# Altium PCB PCB1.PcbDoc
Units mil, origin at the board's own origin, x right, y up, seen from the top; angles counter-clockwise.
Board outline 6000 x 4000 mil, 2 copper layers (Top Layer, Bottom Layer); 106 components, 98 nets, 439 pads, 9 vias.
Unrouted connection lines stored in the file: 222.
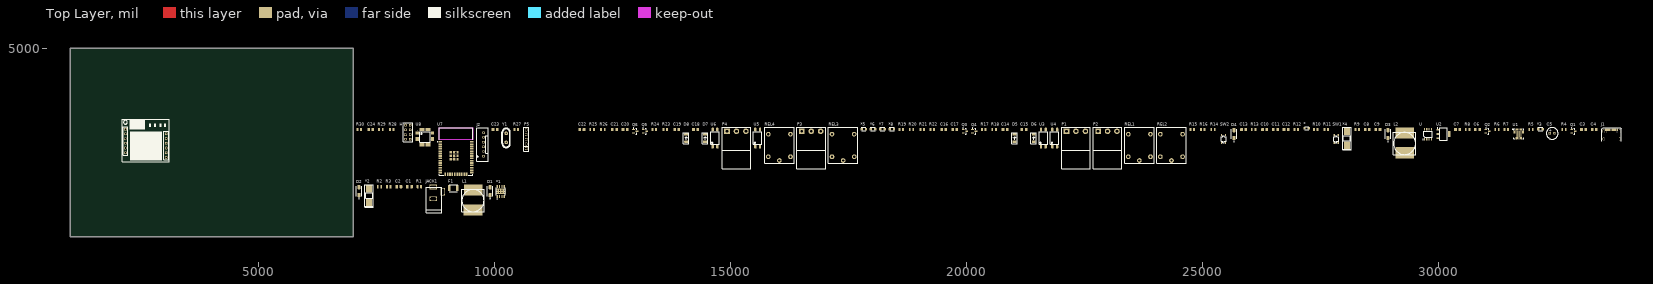
[diagram p0: Top Layer view]
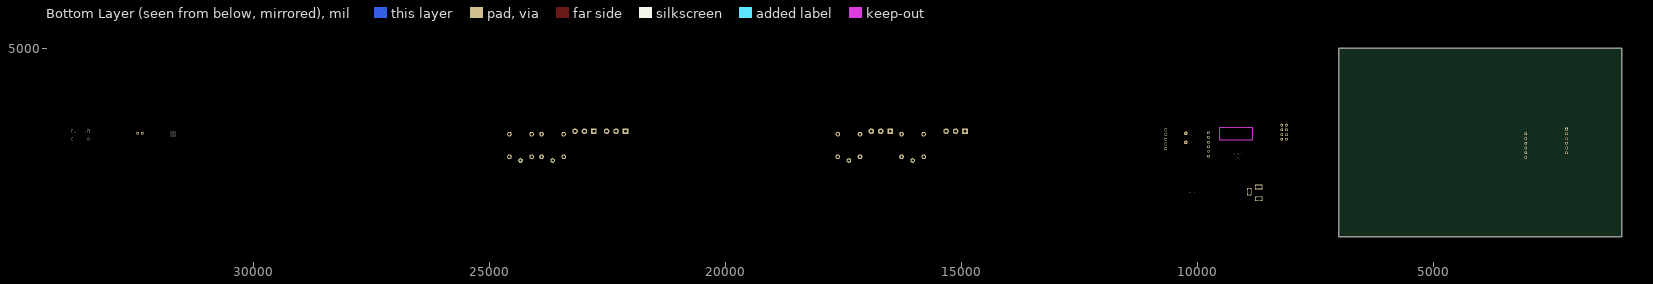
[diagram p1: Bottom Layer view, seen from below]

## Layer stack, top to bottom
Top Solder: solder mask 0.4, Solder Resist, Dk 3.5
Top Layer: signal copper 1.4
Dielectric 1: dielectric 12.6, FR-4, Dk 4.8
Bottom Layer: signal copper 1.4
Bottom Solder: solder mask 0.4, Solder Resist, Dk 3.5

## Board outline
1000,1000 7000,1000 7000,5000 1000,5000

## Design rules (kind name [scope] priority, off if disabled: settings)
Clearance [All] p1: gap=10 ignorepadtopadclearanceinfootprint=FALSE except(0: Arc-Hole Track-Hole SMDPad-Hole THPad-Hole Via-Hole Fill-Hole Poly-Hole Region-Hole Text-Hole)
PolygonConnect [All] p1: connectstyle=Relief reliefconductorwidth=10 reliefentries=4 polygonreliefangle="90 Angle" airgapwidth=10
RoomDefinition Sheet1 [InComponentClass('Sheet1')] p1: confinementstyle=ConfineIn formatcopy=TRUE lockcomponents=FALSE outline 7045,1445 33905,1445 33905,3430 7045,3430
RoutingVias [All] p1: holewidth=28 width=50 viastyle="Through Hole" minholewidth=28 minwidth=50 maxholewidth=28 maxwidth=50
SolderMaskExpansion [All] p1: expansion=4 istentingtop=FALSE
Width [All] p1: maxlimit=10 minlimit=10 preferedwidth=10
30 further rules are at their usual default settings.

## Components (designator, comment, footprint, x,y, rotation, side; value= is the part's Value field where it differs from the comment)
* "LED_0805_RED" LED-0805-Red 27160,3305 r0 top
*1 "TPS5430" TPS5430DDAR 10125,1965 r90 top
*2 "cap_tantan" "tu tantalum smd7343" 7335,1880 r90 top
*3 "LED_0805_RED" LED-0805-Red 32115,3285 r0 top
*4 "cap_tantan" "tu tantalum smd7343" 28060,3090 r90 top
*5 "LED_0805_RED" LED-0805-Red 17775,3285 r0 top
*6 "LED_0805_RED" LED-0805-Red 17970,3285 r0 top
*7 "LED_0805_RED" LED-0805-Red 18170,3285 r0 top
*8 "LED_0805_RED" LED-0805-Red 18370,3285 r0 top
C1 "C0805" CAP_0805 8190,2065 r0 top
C2 "C0805" CAP_0805 7965,2065 r0 top
C3 "C0805" CAP_0805 33075,3275 r0 top
C4 "C0805" CAP_0805 33300,3275 r0 top
C5 "100uF" "CAP ELECTROLITICO" 32410,3195 r0 top
C6 "C0805" CAP_0805 30825,3275 r0 top
C7 "C0805" CAP_0805 30405,3275 r0 top
C8 "C0805" CAP_0805 28490,3275 r0 top
C9 "C0805" CAP_0805 28715,3275 r0 top
C10 "C0805" CAP_0805 26315,3275 r0 top
C11 "C0805" CAP_0805 26545,3275 r0 top
C12 "C0805" CAP_0805 26770,3275 r0 top
C13 "C0805" CAP_0805 25870,3275 r0 top
C14 "C0805" CAP_0805 20815,3275 r0 top
C15 "C0805" CAP_0805 21215,3275 r0 top
C16 "C0805" CAP_0805 19515,3275 r0 top
C17 "C0805" CAP_0805 19745,3275 r0 top
C18 "C0805" CAP_0805 14255,3275 r0 top
C19 "C0805" CAP_0805 13855,3275 r0 top
C20 "C0805" CAP_0805 12760,3275 r0 top
C21 "C0805" CAP_0805 12535,3275 r0 top
C22 "C0805" CAP_0805 11845,3275 r0 top
C23 "C0805" CAP_0805 10005,3275 r0 top
C24 "C0805" CAP_0805 7370,3275 r0 top
D1 "B340A-13" B340A 9900,1970 r90 top
D2 "B340A-13" B340A 7120,1970 r90 top
D3 "B340A-13" B340A 28925,3180 r90 top
D4 "B340A-13" B340A 25665,3180 r90 top
D5 "D_SMA" "DO-214AC-2 (SMA)" 21015,3095 r90 top
D6 "D_SMA" "DO-214AC-2 (SMA)" 21420,3095 r90 top
D7 "D_SMA" "DO-214AC-2 (SMA)" 14455,3095 r90 top
D8 "D_SMA" "DO-214AC-2 (SMA)" 14055,3095 r90 top
F1 "2A 24V" "Cau chi tu phuc hoi 2A 24V SMD1812" 9120,2035 r0 top
H "HEADER CONNECT 4" "JUMPER PITCH 4x2 PIN" 8205,3070 r90 top
J1 "TYPE-C-31-M-12" TYPE-C-31-M-12 33670,3160 r0 top
J2 "B6B-XH-A(LF)(SN)" CON6_100_B6B-XH-A_TH_ST 9760,2710 r90 top
JACK1 "JACK DC" "JACK DC" 8795,1935 r90 top value="Jac DC"
L1 "INDUCTOR" "Cuon Cam 12x12x10" 9300,1535 r0 top
L2 "INDUCTOR" "Cuon Cam 12x12x10" 29045,2745 r0 top
P1 "CON 3 EDG5.08" "CON 3P 5.08MM" 22115,3240 r0 top
P2 "CON 3 EDG5.08" "CON 3P 5.08MM" 22785,3240 r0 top
P3 "CON 3 EDG5.08" "CON 3P 5.08MM" 16505,3240 r0 top
P4 "CON 3 EDG5.08" "CON 3P 5.08MM" 14920,3240 r0 top
P5 "Header 5" "JP 1X5 DT" 10665,2870 r90 top
Q1 "NPN-SOT23" "SOT23 - 3PIN" 32860,3240 r0 top
Q2 "NPN-SOT23" "SOT23 - 3PIN" 31040,3240 r0 top
Q3 "NPN-SOT23" "SOT23 - 3PIN" 19960,3240 r0 top
Q4 "NPN-SOT23" "SOT23 - 3PIN" 20160,3240 r0 top
Q5 "NPN-SOT23" "SOT23 - 3PIN" 13180,3240 r0 top
Q6 "NPN-SOT23" "SOT23 - 3PIN" 12975,3240 r0 top
R1 "R0805" RES_0805 8400,2065 r0 top
R2 "R0805" RES_0805 7555,2065 r0 top
R3 "R0805" RES_0805 7750,2065 r0 top
R4 "R0805" RES_0805 32660,3275 r0 top
R5 "R0805" RES_0805 31960,3275 r0 top
R6 "R0805" RES_0805 31240,3275 r0 top
R7 "R0805" RES_0805 31435,3275 r0 top
R8 "R0805" RES_0805 30615,3275 r0 top
R9 "R0805" RES_0805 28280,3275 r0 top
R10 "R0805" RES_0805 27400,3275 r0 top
R11 "R0805" RES_0805 27620,3275 r0 top
R12 "R0805" RES_0805 26985,3275 r0 top
R13 "R0805" RES_0805 26080,3275 r0 top
R14 "R0805" RES_0805 25220,3275 r0 top
R15 "R0805" RES_0805 24780,3275 r0 top
R16 "R0805" RES_0805 25000,3275 r0 top
R17 "R0805" RES_0805 20360,3275 r0 top
R18 "R0805" RES_0805 20580,3275 r0 top
R19 "R0805" RES_0805 18610,3275 r0 top
R20 "R0805" RES_0805 18830,3275 r0 top
R21 "R0805" RES_0805 19060,3275 r0 top
R22 "R0805" RES_0805 19270,3275 r0 top
R23 "R0805" RES_0805 13610,3275 r0 top
R24 "R0805" RES_0805 13380,3275 r0 top
R25 "R0805" RES_0805 12060,3275 r0 top
R26 "R0805" RES_0805 12290,3275 r0 top
R27 "R0805" RES_0805 10455,3275 r0 top
R28 "R0805" RES_0805 7815,3275 r0 top
R29 "R0805" RES_0805 7585,3275 r0 top
R30 "R0805" RES_0805 7125,3275 r0 top
REL1 "RELAY 5V 10A" "RELAY 5V-10A" 23660,2620 r0 top
REL2 "RELAY 5V 10A" "RELAY 5V-10A" 24340,2620 r0 top
REL3 "RELAY 5V 10A" "RELAY 5V-10A" 17380,2620 r0 top
REL4 "RELAY 5V 10A" "RELAY 5V-10A" 16030,2620 r0 top
SW1 "EN" SKRPANE010 27830,3075 r90 top
SW2 "IO0" SKRPANE010 25445,3075 r90 top
U "MP1482" SOIC-8 29775,3175 r90 top
U1 "CP2102" QFN28 31700,3185 r0 top
U2 "AMS1117" "SOT223 - 3 LEAD" 30105,3180 r0 top
U3 "OPTO PC817 SMD" "PC817 SMD" 21625,3095 r90 top value=PC817
U4 "OPTO PC817 SMD" "PC817 SMD" 21865,3095 r90 top value=PC817
U5 "OPTO PC817 SMD" "PC817 SMD" 15570,3095 r90 top value=PC817
U6 "OPTO PC817 SMD" "PC817 SMD" 14665,3095 r90 top value=PC817
U7 "ESP32-WROOM-32" MODULE_ESP32-WROOM-32 9175,2810 r0 top
U8 "STM32F103C8T6-LQFP48" "LQFP 48 PIN" 8515,3115 r0 top
Y1 "16Mhz" "Thach Anh 2 chan cam" 10240,3100 r90 top value=4Mhz
? "SimA7680C" SimA7680C 2107,3486 r0 top

## Footprints (in the part's own frame and the unit in brackets; to place one, negate y for a bottom-side part, rotate by r counter-clockwise, add the part's x,y. Pads: shape width x height; smd on the part's side, far side on the other; paste and mask are expansions set on the pad)
B340A [mm]
  rrect50% 2.33x1.55 smd: A(2.135,0) C(-2.135,0)
  silkscreen extent -4.1,-1.46 2.6,1.46, body extent -2.6,-1.3 2.6,1.3, height 2.4
"CAP ELECTROLITICO" [mm] "Capacitor  Electrolitico Radial 6.3mm diametro  x 11mm de altura (2.5mm entre pines)"
  rect 1.35x1.35 hole 0.8: 1(-1.325,0.075)
  round 1.35 hole 0.8: 2(1.15,0.075)
  silkscreen extent -3.15,-3.15 3.15,3.15, body extent -3.18,-3.18 3.18,3.17, height 11.53
CAP_0805 [mm]
  rrect25% 1.4x1.7 smd: 1(-1.143,0) 2(1.143,0)
  body extent -1.15,-0.76 1.15,0.79, height 1.01
"Cau chi tu phuc hoi 2A 24V SMD1812" [mm]
  rrect25% 1.34x3.29 smd: 1(-2.15,0) 2(2.15,0)
  silkscreen extent -2.28,-1.83 2.28,1.83, body extent -2.27,-1.62 2.27,1.62, height 1.25
CON6_100_B6B-XH-A_TH_ST [mm] "Connector Header"
  round 1.45 hole 0.91: 1(0,0) 2(2.54,0) 3(5.08,0) 4(7.62,0) 5(10.16,0) 6(12.7,0)
  silkscreen extent -2.67,-2.54 15.39,3.71, body extent -2.42,-2.32 15.12,3.43, height 7
"CON 3P 5.08MM" [mm] "Connector; Header; 3 Position"
  rect 3x3 hole 1.5: 1(0,0)
  round 3 hole 1.5: 2(5.08,0) 3(10.16,0)
  silkscreen extent -2.67,-20.19 12.83,2.03, body extent -2.54,-20.1 12.7,1.94, height 15.17
"Cuon Cam 12x12x10" [mm] "Cuon Cam 12x12x10"
  rect 10x6 smd: 1(6.1,11.6) 2(6,1)
  silkscreen extent 0,0 12.1,12.1, body extent 0.1,-0.2 12.1,12.14, height 7.51
"DO-214AC-2 (SMA)" [mm]
  rrect25% 1.27x2.1 smd: A(-1.985,0) K(1.985,0)
  silkscreen extent -3,-1.5 3,1.5, body extent -2.6,-1.3 2.6,1.3, height 2.42
"JACK DC" [mil] "Jac DC input"
  rect 100x160 hole 59.06 slot 125.98 at 90 deg: 1(125,100) 2(-125,100)
  rect 160x100 hole 59.06 slot 125.98 at 0 deg: 3(25,-100)
  silkscreen extent -425,-80 120,250, body extent -410,-105 134,269, height 434
"JP 1X5 DT" [mm] "5 pins, 1 row, straight, gold plating"
  rect 1.6x1.6 hole 1.1: 1(0,0)
  round 1.6 hole 1.1: 2(2.54,0) 3(5.08,0) 4(7.62,0) 5(10.16,0)
  silkscreen extent -1.27,-1.27 11.43,1.27, body extent -1.27,-1.27 11.43,1.27, height 8.54
"JUMPER PITCH 4x2 PIN" [mm] "Connector; Header; 4x2 Position"
  rect 1.5x1.5 hole 0.9: 1(0,0)
  round 1.5 hole 0.9: 2(0,2.54) 3(2.54,0) 4(2.54,2.54) 5(5.08,0) 6(5.08,2.54) 7(7.62,0) 8(7.62,2.54)
  silkscreen extent -1.27,-1.27 8.89,3.81, body extent -1.27,-1.27 8.95,3.81, height 7.6
LED-0805-Red [mil]
  rect 50x55 smd: 1(0,0) 2(90,0)
  silkscreen extent 0,-35 90,35, body extent 5,-25 85,25, height 43
"LQFP 48 PIN" [mm] "TSQFP, 48-Leads, Body 9.2x9.2mm (max), Pitch 0.50mm, IPC Medium Density"
  oval 1.75x0.3 smd: 1(-4.075,2.75) 2(-4.075,2.25) 3(-4.075,1.75) 4(-4.075,1.25) 5(-4.075,0.75) 6(-4.075,0.25) 7(-4.075,-0.25) 8(-4.075,-0.75) 9(-4.075,-1.25) 10(-4.075,-1.75) 11(-4.075,-2.25) 12(-4.075,-2.75) 25(4.075,-2.75) 26(4.075,-2.25) 27(4.075,-1.75) 28(4.075,-1.25) 29(4.075,-0.75) 30(4.075,-0.25) 31(4.075,0.25) 32(4.075,0.75) 33(4.075,1.25) 34(4.075,1.75) 35(4.075,2.25) 36(4.075,2.75)
  oval 0.3x1.75 smd: 13(-2.75,-4.075) 14(-2.25,-4.075) 15(-1.75,-4.075) 16(-1.25,-4.075) 17(-0.75,-4.075) 18(-0.25,-4.075) 19(0.25,-4.075) 20(0.75,-4.075) 21(1.25,-4.075) 22(1.75,-4.075) 23(2.25,-4.075) 24(2.75,-4.075) 37(2.75,4.075) 38(2.25,4.075) 39(1.75,4.075) 40(1.25,4.075) 41(0.75,4.075) 42(0.25,4.075) 43(-0.25,4.075) 44(-0.75,4.075) 45(-1.25,4.075) 46(-1.75,4.075) 47(-2.25,4.075) 48(-2.75,4.075)
  silkscreen extent -4.2,-2.8 2.8,3.57, body extent -4.5,-4.5 4.5,4.5, height 1.45
MODULE_ESP32-WROOM-32 [mm]
  rect 2x0.9 smd: 1(-8.5,5.26) 2(-8.5,3.99) 3(-8.5,2.72) 4(-8.5,1.45) 5(-8.5,0.18) 6(-8.5,-1.09) 7(-8.5,-2.36) 8(-8.5,-3.63) 9(-8.5,-4.9) 10(-8.5,-6.17) 11(-8.5,-7.44) 12(-8.5,-8.71) 13(-8.5,-9.98) 14(-8.5,-11.25) 25(8.5,-11.25) 26(8.5,-9.98) 27(8.5,-8.71) 28(8.5,-7.44) 29(8.5,-6.17) 30(8.5,-4.9) 31(8.5,-3.63) 32(8.5,-2.36) 33(8.5,-1.09) 34(8.5,0.18) 35(8.5,1.45) 36(8.5,2.72) 37(8.5,3.99) 38(8.5,5.26)
  rect 0.9x2 smd: 15(-5.715,-12.25) 16(-4.445,-12.25) 17(-3.175,-12.25) 18(-1.905,-12.25) 19(-0.635,-12.25) 20(0.635,-12.25) 21(1.905,-12.25) 22(3.175,-12.25) 23(4.445,-12.25) 24(5.715,-12.25)
  rect 1.33x1.33 smd: 39(-2.835,-4.075) 39(-2.835,-2.24) 39(-2.835,-0.405) 39(-1,-4.075) 39(-1,-2.24) 39(-1,-0.405) 39(0.835,-4.075) 39(0.835,-2.24) 39(0.835,-0.405)
  round 0.3 hole 0.2: 39_10(-1.917,-0.405) 39_11(-0.082,-0.405) 39_12(-2.835,-1.322) 39_13(-1,-1.322) 39_14(0.835,-1.322) 39_15(-1.917,-2.24) 39_16(-0.082,-2.24) 39_17(-2.835,-3.157) 39_18(-1,-3.157) 39_19(0.835,-3.157) 39_20(-1.917,-4.075) 39_21(-0.082,-4.075)
  Keep-Out Layer region: 9,6.45 -9,6.45 -9,12.75 9,12.75
  Keep-Out Layer region: 9,6.45 -9,6.45 -9,12.75 9,12.75
  silkscreen extent -10.1,-12.75 9,12.75, body extent -9,-12.75 9,12.75, height 3.2
"PC817 SMD" [mm] "SMD"
  oval 2.2x1.3 smd: 1(-4.572,1.27) 2(-4.572,-1.27) 3(4.572,-1.27) 4(4.572,1.27)
  silkscreen extent -3.3,-2.29 3.3,2.29, body extent -4.87,-2.29 5.13,2.29, height 3.95
QFN28 [mm] "QFN, 28-Leads, Body 5.00x5.00mm, Pitch 0.50mm, Thermal Pad 3.13x3.13mm, IPC Low Density"
  oval 1.15x0.25 smd: 1(-2.35,1.5) 2(-2.35,1) 3(-2.35,0.5) 4(-2.35,0) 5(-2.35,-0.5) 6(-2.35,-1) 7(-2.35,-1.5) 15(2.35,-1.5) 16(2.35,-1) 17(2.35,-0.5) 18(2.35,0) 19(2.35,0.5) 20(2.35,1) 21(2.35,1.5)
  oval 0.25x1.15 smd: 8(-1.5,-2.35) 9(-1,-2.35) 10(-0.5,-2.35) 11(0,-2.35) 12(0.5,-2.35) 13(1,-2.35) 14(1.5,-2.35) 22(1.5,2.35) 23(1,2.35) 24(0.5,2.35) 25(0,2.35) 26(-0.5,2.35) 27(-1,2.35) 28(-1.5,2.35)
  rect 3.13x3.13 smd: 29(0,0)
  silkscreen extent -3.42,-2.65 2.65,2.65, body extent -2.5,-2.5 2.5,2.5, height 1
"RELAY 5V-10A" [mm]
  round 2.5 hole 1.3: 1(0,0) 2(-5.969,14.224) 3(5.969,14.224) 4(-5.969,2.032) 5(5.969,2.032)
  silkscreen extent -7.87,-1.52 7.87,17.78, body extent -7.75,-1.4 7.75,17.7, height 15.3
RES_0805 [mm]
  rrect25% 1x1.7 smd: 1(-0.95,0) 2(0.95,0)
  body extent -1,-0.63 1,0.63, height 0.47
SimA7680C [mm]
  rect 1.5x1.5 hole 0.9: 1(1.6,-5.105) 7(23.571,-7.645)
  round 1.5 hole 0.9: 2(1.6,-7.645) 3(1.6,-10.185) 4(1.6,-12.725) 5(1.6,-15.265) 6(1.6,-17.805) 8(23.571,-10.185) 9(23.571,-12.725) 10(23.571,-15.265) 11(23.571,-17.805) 12(23.571,-20.345)
  silkscreen extent 0.03,-22.76 25.22,0.28, body extent 0.12,-23 25.12,0.14, height 6.1
SKRPANE010 [mm]
  rect 1.05x0.65 smd: 12(-2.075,1.075) 12(2.075,1.075) 34(-2.075,-1.075) 34(2.075,-1.075)
  silkscreen extent -1.9,-1.4 1.9,1.4, body extent -2.3,-1.6 2.3,1.6, height 2.51
SOIC-8 [mm] "SOIC, 8-Leads, Body 4.91x3.90mm, Pitch 1.27mm, IPC Medium Density"
  rrect25% 1.45x0.6 smd: 1(-2.725,1.905) 2(-2.725,0.635) 3(-2.725,-0.635) 4(-2.725,-1.905) 5(2.725,-1.905) 6(2.725,-0.635) 7(2.725,0.635) 8(2.725,1.905)
  silkscreen extent -2.85,-2.3 1.6,2.88, body extent -3,-2.5 3,2.5, height 1.75
"SOT23 - 3PIN" [mm]
  rect 1.4x0.6 smd: 1(-0.95,0.95) 2(-0.95,-0.95) 3(0.95,0)
  silkscreen extent -1.07,-1.5 0.7,1.92, body extent -1.4,-1.45 1.4,1.45, height 1.29
"SOT223 - 3 LEAD" [mm] "SOT223, 4-Leads, Body 6.7x6.7mm (max), Pitch 2.29mm, IPC Medium Density"
  rect 1.35x0.95 smd: 1(-3.125,2.29) 2(-3.125,0) 3(-3.125,-2.29)
  rect 1.35x3.3 smd: 4(3.125,0)
  silkscreen extent -3.25,-3.35 2.05,3.44, body extent -3.54,-3.25 3.54,3.25, height 1.65
"Thach Anh 2 chan cam" [mm]
  round 1.905 hole 0.8: 1(-2.45,0) 2(2.45,0)
  silkscreen extent -5.28,-2.29 5.21,2.29, body extent -5.68,-2.36 5.68,2.29, height 3.5
TPS5430DDAR [mm]
  rrect10% 1.55x0.6 smd mask+0: 1(-2.7,1.905) 2(-2.7,0.635) 3(-2.7,-0.635) 4(-2.7,-1.905) 5(2.7,-1.905) 6(2.7,-0.635) 7(2.7,0.635) 8(2.7,1.905)
  rect 2.95x4.9 smd paste-3 mask+0: 9(0,0)
  round 0.3 hole 0.2 mask+0: 10(-0.65,1.95) 11(0.65,1.95) 12(-0.65,0.65) 13(0.65,0.65) 14(-0.65,-0.65) 15(0.65,-0.65) 16(-0.65,-1.95) 17(0.65,-1.95)
  silkscreen extent -4.17,-2.52 1.95,2.52, body extent -3,-2.45 3,2.45, height 1.7
"tu tantalum smd7343" [mm]
  rect 4x3.2 smd: 1(-3.7,0) 2(3.7,0)
  silkscreen extent -6.23,-2.31 5.85,2.31, body extent -3.75,-2.33 3.85,2.27, height 3.99
TYPE-C-31-M-12 [mm]
  rect 0.6x1.5 smd mask+0.07: A1B12(-3.2,2.85) B1A12(3.2,2.85)
  rect 0.6x1.5 smd mask+0.14: A4B9(-2.4,2.85) B4A9(2.4,2.85)
  rect 0.3x1.5 smd mask+0.14: A5(-1.25,2.85) A6(-0.25,2.85) A7(0.25,2.85) A8(1.25,2.85) B5(1.75,2.85) B6(0.75,2.85) B7(-0.75,2.85) B8(-1.75,2.85)
  round 0.6 hole 0.6 unplated mask+0.3: MH(-2.9,1.6) MH(2.9,1.6)
  oval 1x1.9 hole 0.55 slot 1.45 at 90 deg mask+0.05: SH(-4.325,-2.1) SH(4.325,-2.1)
  oval 1x2.2 hole 0.55 slot 1.75 at 90 deg mask+0.05: SH(-4.325,2.1) SH(4.325,2.1)
  silkscreen extent -5.25,-3.25 5.25,4, body extent -4.47,-4.65 4.47,3.25, height 3.32

## Part data
C1 C2 C3 C4 C6 C7 C8 C9 C10 C11 C12 C13 C14 C15 C16 C17 C18 C19 C20 C21 C22 C23 C24: library part CAP_0805, "Capacitor SMD 0805"
C5: library part CAPACITOR
D1 D2 D3 D4: "Diode Schottky 40 V 3A Surface Mount SMA", Package="DO-214 Diodes Inc.", Availability="In Stock", Check_prices=https://www.snapeda.com/parts/B340A-13/Diodes+Inc./view-part/?ref=eda, MF="Diodes Inc.", MP=B340A-13, Price=None, Purchase-URL=https://pricing.snapeda.com/search/part/B340A-13/?ref=eda, SnapEDA_Link=https://www.snapeda.com/parts/B340A-13/Diodes+Inc./view-part/?ref=snap
D5 D6 D7 D8: "Diode SMD SMA (DO-214AA)"
F1: library part "Fuse self-recovering", "2A 24V SMD1812", Ma_Hang=MH010033, Ten="Cầu Chì Tự Phục Hồi 2A 24V SMD1812"
J1: "USB Type C Connector Horizontal SMT", Manufacturer="Koren Hroparts", Manufacturer Part Number=TYPE-C-31-M-12
J2: library part CON-PLG_6X1-100-ST-TH, "6 Pins, 1 Row 2.54mm Pitch, straight Connector, male", Alternate Part Number-1=NA, Case/Package=TH-CON, Crimp Part Number=ASXHSXH22K51, Manufacturer=JST, Mating Part Number=XHP-6, Manufacturer Part Number=B6B-XH-A(LF)(SN), Supplier Part Number-1=B6B-XH-A(LF)(SN), Supplier-1=ARROW
P1 P2 P3 P4: "Cắm", Chung_Loai=Cắm, Don_Vi=Con, Ma_Hang=MH000760, Ten_Linh_Kien="CON 3 2EDG5.08-3P 5.08MM ( Xanh Cong)"
R1 R2 R3 R4 R5 R6 R7 R8 R9 R10 R11 R12 R13 R14 R15 R16 R17 R18 R19 R20 R21 R22 R23 R24 R25 R26 R27 R28 R29 R30: library part RES_0805, "Resistor SMD 0805"
SW1 SW2: library part SKRPANE010, "Tactile Switch SMD SPST", Manufacturer="Alps Alpine", Manufacturer Part Number=SKRPANE010
U3 U4 U5 U6: "Single Opto"
U7: "Bluetooth, WiFi 802.11b/g/n, Bluetooth v4.2 +EDR, Class 1, 2 and 3 Transceiver Module 2.4GHz ~ 2.5GHz Antenna Not Included, U.FL Surface Mount", Package="Module Espressif Systems", Availability="In Stock", Check_prices=https://www.snapeda.com/parts/ESP32-WROOM-32/Espressif+Systems/view-part/?ref=eda, MF="Espressif Systems", MP=ESP32-WROOM-32, Price=None, Purchase-URL=https://pricing.snapeda.com/search/part/ESP32-WROOM-32/?ref=eda, SnapEDA_Link=https://www.snapeda.com/parts/ESP32-WROOM-32/Espressif+Systems/view-part/?ref=snap
Y1: library part XTAL, "Crystal For all Crystal 2pin."
P5: LatestRevisionDate=17-Jul-2002, LatestRevisionNote="Re-released for DXP Platform.", Publisher="Altium Limited"
U8: ComponentLink1Description="Manufacturer Link", ComponentLink1URL=www.st.com/stm32, ComponentLink2Description=Datasheet, ComponentLink2URL=http://www.st.com/stonline/products/literature/ds/13586.pdf, DatasheetVersion="rev6, Mar-2008", PackageDescription="48-Pin Low-Profile Quad Flat Pack, 7 x 7 mm Body, 0.5 mm Pitch (LQFP48)", PackageReference=LQFP48, PackageVersion=Mar-2008, Published=30-May-2008, Publisher="Altium Limited"

## Via types
v1: diameter 19.68, hole 7.87, Top Layer to Bottom Layer, 9 vias

## Nets (pads, with @x,y where several pads share a name; then routed paths per layer and width w, separated by ;. In a path a pad name is that pad's centre, name@x,y a point inside that pad or via, vN(x,y) a via of type N, cw(c..) or ccw(c..) an arc to the next point about the centre after c; other vN are vias at no path point)
+3.3V: *2.1 C9.2 L1.2 P5.2 R2.2 R3.2 R10.2 R15.2 R19.1 R20.1 R21.1 R22.1 R25.1 R26.1 U2.2 U2.4 U7.2 U8.9 U8.24 U8.36 U8.48
+5V: C8.2 D3.C U2.3
+12: F1.1 JACK1.1
ACTIVE: U1.11
CTS: U1.23
D_N: J1.A7 J1.B7 U1.5
D_P: J1.A6 J1.B6 U1.4
DCD: U1.1
DSR: U1.27
DTR: Q2.2 R4.2 U1.28
EN: C2.2 Q1.3 R10.1 R11.2 U7.3
EN-POW-SIM: U.7
GND: *1.6 *1.9 *2.2 *3.2 *4.2 *.2 C2.1 C3.1 C4.1 C5.2 C7.2 C8.1 C9.1 C11.2 C12.2 C13.1 C16.2 C17.2 C20.2 C21.2 C24.1 D2.A D4.A J1.A1B12 J1.B1A12 J1.SH JACK1.2 JACK1.3 P5.1 Q3.2 Q4.2 Q5.2 Q6.2 R5.1 R6.2 R7.2 R13.1 R14.2 R28.1 R29.1 R30.1 SW1.34 SW2.34 U1.3 U1.29 U2.1 U7.1 U7.15 U7.38 U7.39 U8.8 U8.23 U8.35 U8.47 U.4
  other v1: 31656.69,3141.69 31700,3141.69 31743.31,3141.69 31656.69,3185 31700,3185 31743.31,3185 31656.69,3228.31 31700,3228.31 31743.31,3228.31
IO0: Q2.3 R15.1 R16.2 U7.25
IO2: R12.2 U7.24
IO4: U7.26
IO5: U7.29
IO16: U7.27
IO17: U7.28
IO18: U7.30
IO19: U7.31
IO21: U7.33
IO22: U7.36
IO23: U7.37
LED: *5.2 *6.2 *7.2 *8.2
Net*1_1: *1.1 C1.1
Net*1_4: *1.4 R2.1 R5.2
Net*1_8: *1.8 C1.2 D2.C L1.1
Net*3_1: *3.1 R3.1
Net*5_1: *5.1 R19.2
Net*6_1: *6.1 R20.2
Net*7_1: *7.1 R21.2
Net*8_1: *8.1 R22.2
Net*_1: *.1 R12.1
NetC6_1: C6.1 U.1
NetC6_2: C6.2 D4.C
NetC7_1: C7.1 U1.6
NetC10_1: C10.1 U.6
NetC10_2: C10.2 R14.1
NetC13_2: C13.2 U.8
NetC14_2: C14.2 Q3.3
NetC15_2: C15.2 Q4.3
NetC16_1: C16.1 Q3.1 R17.1
NetC17_1: C17.1 Q4.1 R18.1
NetC18_2: C18.2 Q5.3
NetC19_2: C19.2 Q6.3
NetC20_1: C20.1 Q5.1 R23.1
NetC21_1: C21.1 Q6.1 R24.1
NetC22_1: C22.1 R27.2 Y1.2
NetC22_2: C22.2 C23.2
NetC24_2: C24.2 U8.7
NetD1_A: D1.A F1.2
NetD5_A: D5.A REL1.4
NetD6_A: D6.A REL2.4
NetD7_A: D7.A REL3.4
NetD8_A: D8.A REL4.4
NetJ1_A5: J1.A5 R7.1
NetJ1_B5: J1.B5 R6.1
NetL2_1: L2.1 U.3
NetP1_1: P1.1 REL1.2
NetP1_2: P1.2 REL1.1
NetP1_3: P1.3 REL1.3
NetP2_1: P2.1 REL2.2
NetP2_2: P2.2 REL2.1
NetP2_3: P2.3 REL2.3
NetP3_1: P3.1 REL3.2
NetP3_2: P3.2 REL3.1
NetP3_3: P3.3 REL3.3
NetP4_1: P4.1 REL4.2
NetP4_2: P4.2 REL4.1
NetP4_3: P4.3 REL4.3
NetQ1_1: Q1.1 R4.1
NetQ2_1: Q2.1 R8.1
NetR1_2: R1.2 U1.26
NetR9_2: R9.2 R13.2 U.5
NetR11_1: R11.1 SW1.12
NetR16_1: R16.1 SW2.12
NetR17_2: R17.2 U3.3
NetR18_2: R18.2 U4.3
NetR23_2: R23.2 U5.3
NetR24_2: R24.2 U6.3
NetR28_2: R28.2 U7.14
NetR29_2: R29.2 U8.44
NetR30_2: R30.2 U8.20
OSCIN: U8.5
OSCOUT: C23.1 R27.1 U8.6 Y1.1
RELAY_1: U3.2 U4.2 U5.2 U6.2
RI: U1.2
RTS: Q1.2 R8.2 U1.24
SWCLK: P5.4 R26.2 U8.37
SWDIO: P5.5 R25.2 U8.34
U0RX: R1.1 U7.34
U0TX: U1.25
UOTX: U7.35
VCC: *1.7 C3.2 C4.2 C5.1 C14.1 C15.1 C18.1 C19.1 D1.C D5.K D6.K D7.K D8.K REL1.5 REL2.5 REL3.5 REL4.5 U3.4 U4.4 U5.4 U6.4 U.2
VDD-SIM-5V: *4.1 L2.2 R9.1
VDDUSB: C11.1 C12.1 D3.A J1.A4B9 J1.B4A9 U1.7 U1.8
VRL1: U3.1 U4.1 U5.1 U6.1
pads on no net: *1.2 *1.3 *1.5 *1.10 *1.11 *1.12 *1.13 *1.14 *1.15 *1.16 *1.17 ?.1 ?.2 ?.3 ?.4 ?.5 ?.6 ?.7 ?.8 ?.9 ?.10 ?.11 ?.12 H.1 H.2 H.3 H.4 H.5 H.6 H.7 H.8 J1.A8 J1.B8 J1.MH J2.1 J2.2 J2.3 J2.4 J2.5 J2.6 P5.3 U1.9 U1.10 U1.12 U1.13 U1.14 U1.15 U1.16 U1.17 U1.18 U1.19 U1.20 U1.21 U1.22 U7.4 U7.5 U7.6 U7.7 U7.8 U7.9 U7.10 U7.11 U7.12 U7.13 U7.16 U7.17 U7.18 U7.19 U7.20 U7.21 U7.22 U7.23 U7.32 U7.39_10 U7.39_11 U7.39_12 U7.39_13 U7.39_14 U7.39_15 U7.39_16 U7.39_17 U7.39_18 U7.39_19 U7.39_20 U7.39_21 U8.1 U8.2 U8.3 U8.4 U8.10 U8.11 U8.12 U8.13 U8.14 U8.15 U8.16 U8.17 U8.18 U8.19 U8.21 U8.22 U8.25 U8.26 U8.27 U8.28 U8.29 U8.30 U8.31 U8.32 U8.33 U8.38 U8.39 U8.40 U8.41 U8.42 U8.43 U8.45 U8.46

## Text inside footprints (layer, text, board x,y; h text height)
C5: Top Overlay "+" at 32338.15,3233.39 h59.06
U7: Mechanical 13 "ANTENNA" at 8938.78,3164.33 h70